# Altium PCB Main_Board.PcbDoc (part 9 of 19)
Units mil, origin at the board's own origin, x right, y up, seen from the top; angles counter-clockwise.
Board outline 5306 x 6610 mil, 12 copper layers ((L1) Top, (L2) Inner 1, (L3) Inner 2, (L4) Inner 3, (L5) Inner 4, (L6) Inner 5, (L7) Inner 6, (L8) Inner 7, (L9) Inner 8, (L10) Inner 9, (L11) Inner 10, (L12) Bottom), stack 94.81 mil thick; 347 components, 571 nets, 2611 pads, 4053 vias.
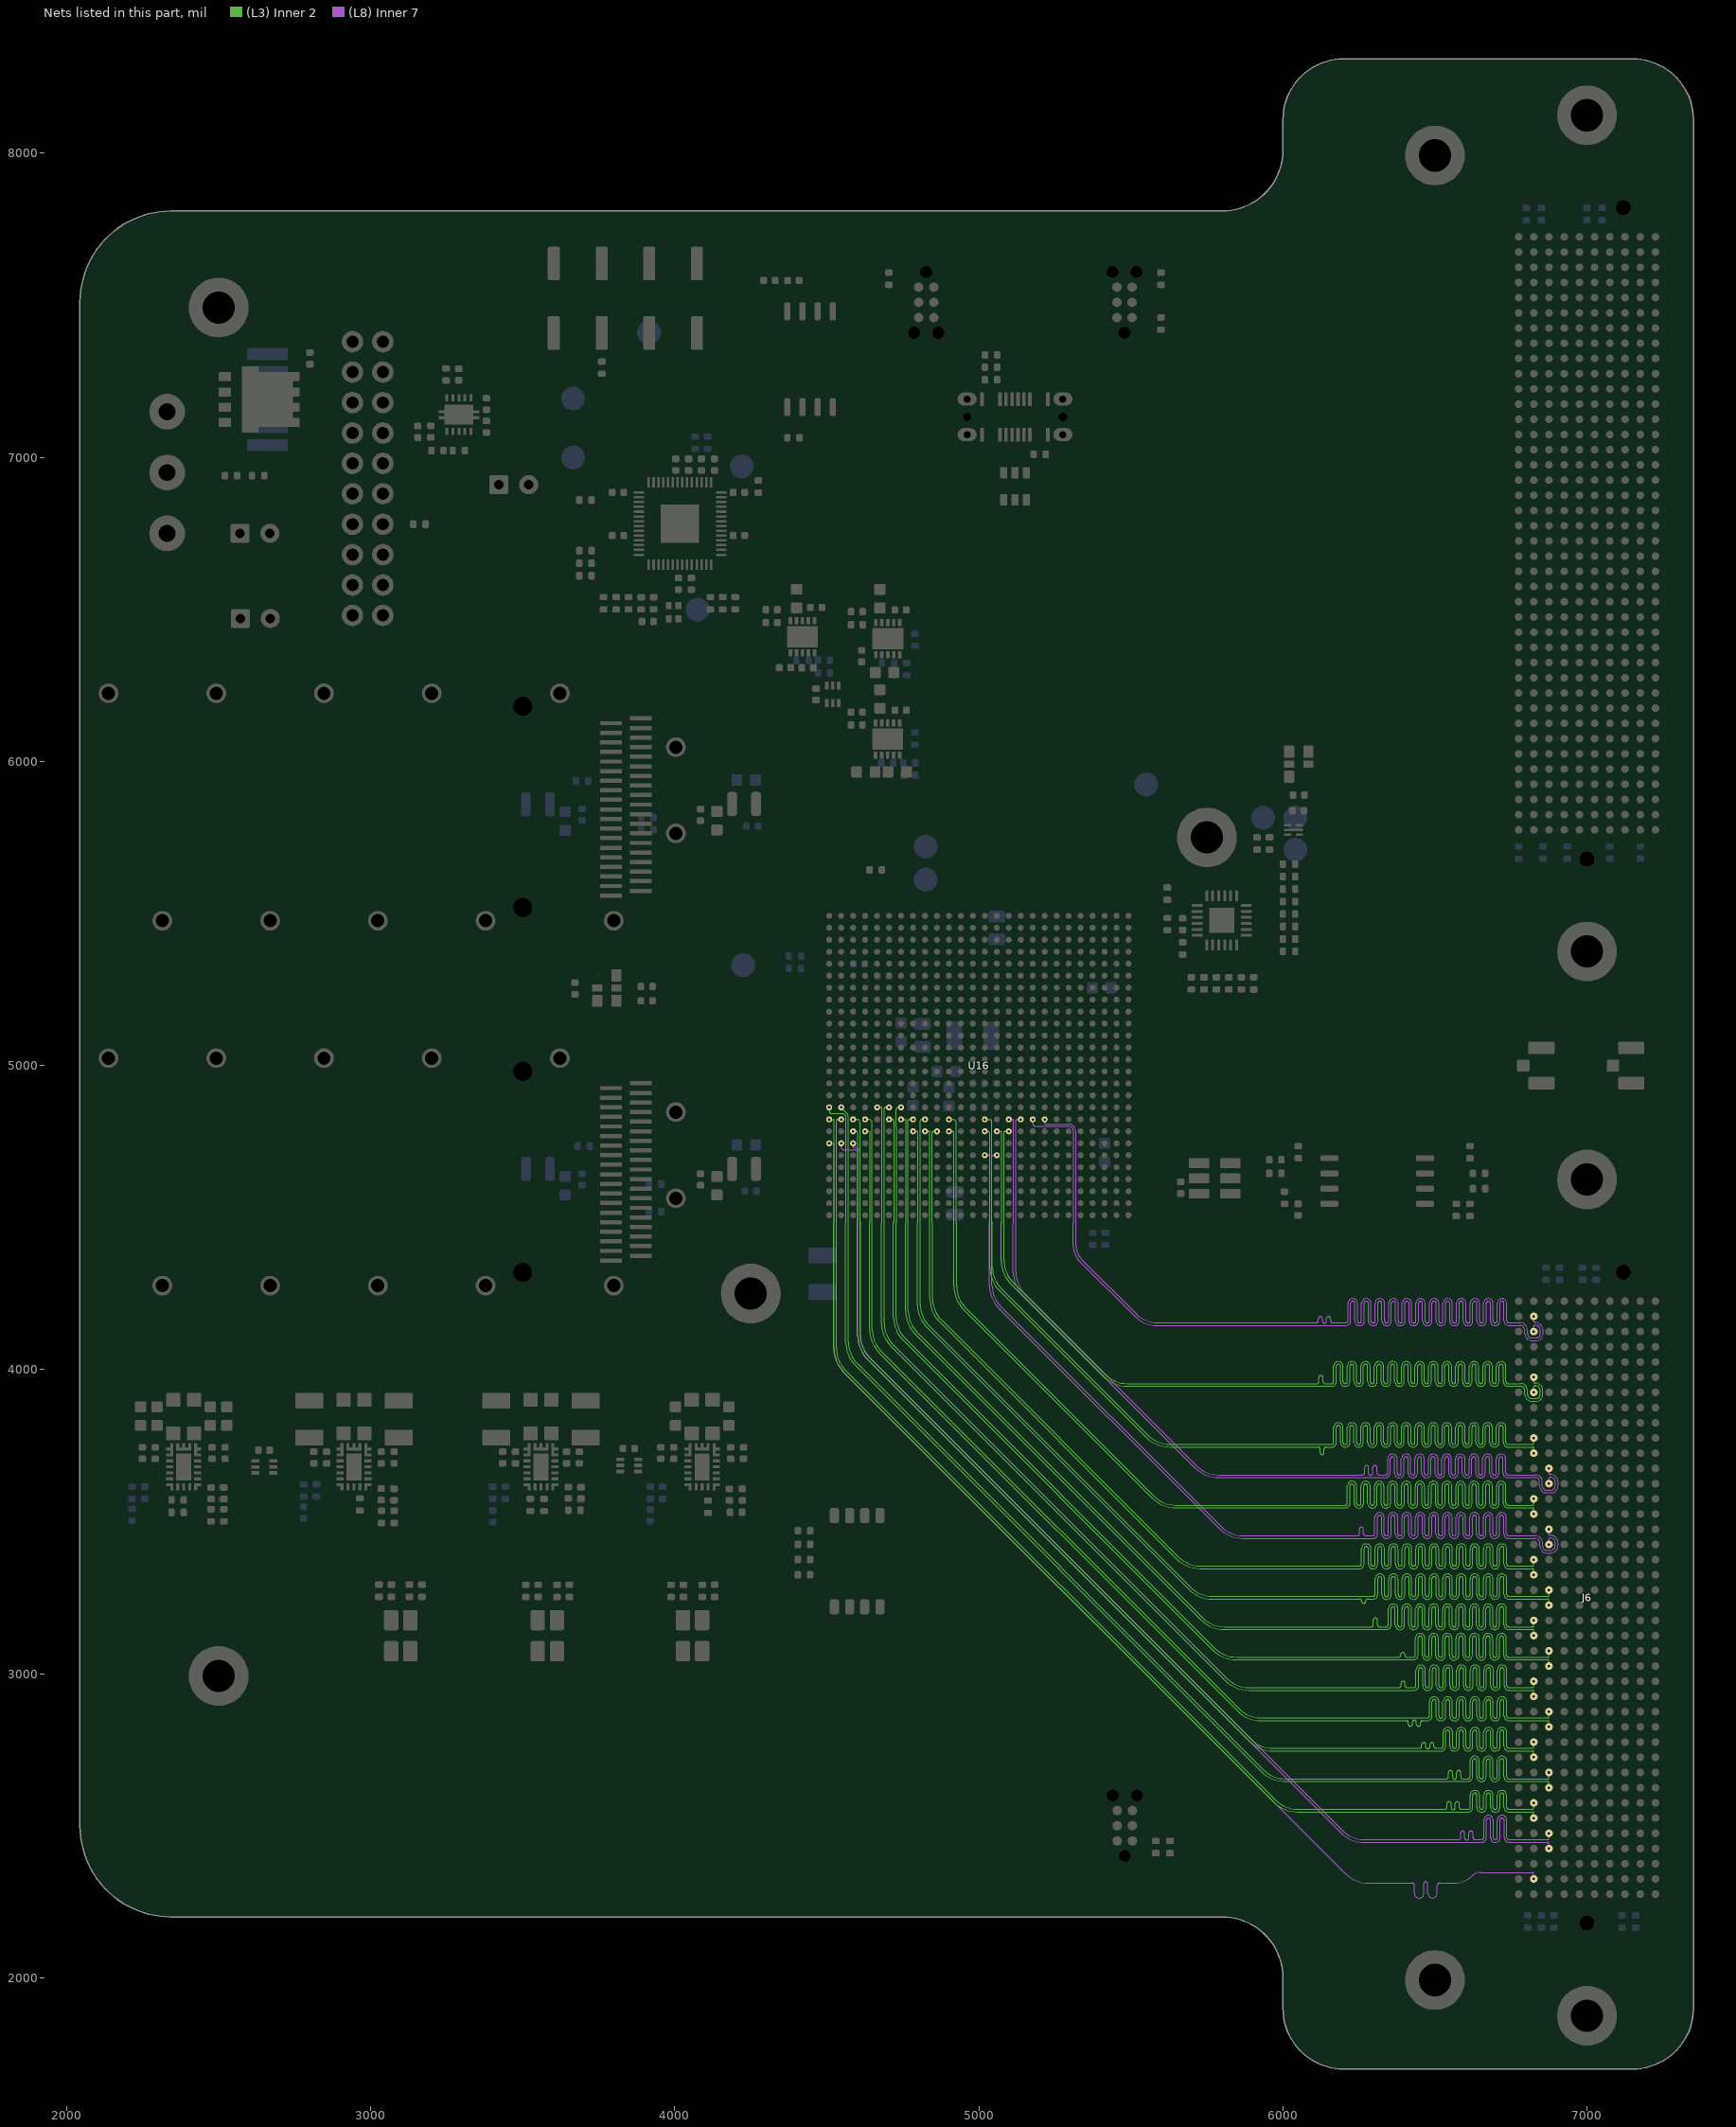
[diagram p19: the nets of this part, all layers, seen from the top]

## Via types
v1: diameter 13.78, hole 7.87, (L1) Top to (L12) Bottom, tented both sides, 4044 vias
v2: diameter 13.78, hole 7.87, (L1) Top to (L12) Bottom, tented bottom, 9 vias

## Nets (pads, with @x,y where several pads share a name; then routed paths per layer and width w, separated by ;. In a path a pad name is that pad's centre, name@x,y a point inside that pad or via, vN(x,y) a via of type N, cw(c..) or ccw(c..) an arc to the next point about the centre after c; other vN are vias at no path point) (continued)
HPCC_A_56_N: J6.H13 U16.V17 | length 3857.4
  (L8) Inner 7 w3.5: v1(5137.8,4822.83) 5125.29,4822.83 ccw(c5125.29,4819.33) 5122.81,4821.81 ccw(c5125.29,4819.33) 5121.79,4819.33 5121.79,4319.64 ccw(c5221.79,4319.64) 5151.07,4248.93 5716.71,3683.29 ccw(c5787.42,3754) 5787.42,3654 6251.86,3654 6261.75,3654 ccw(c6261.75,3660.75) 6268.5,3660.75 6268.5,3677.97 cw(c6275.25,3677.97) 6282,3677.97 6282,3659.3 ccw(c6288.75,3659.3) 6295.5,3659.3 6295.5,3677.97 cw(c6302.25,3677.97) 6309,3677.97 6309,3660.75 ccw(c6315.75,3660.75) 6315.75,3654 6331,3654 6331.89,3654 6338.04,3654 ccw(c6338.04,3660.75) 6344.79,3660.75 6344.79,3706.52 cw(c6360.34,3706.52) 6375.89,3706.52 6375.89,3659.83 ccw(c6382.64,3659.83) 6389.39,3659.83 6389.39,3706.52 cw(c6404.94,3706.52) 6420.49,3706.52 6420.49,3659.83 ccw(c6427.24,3659.83) 6433.99,3659.83 6433.99,3706.52 cw(c6449.54,3706.52) 6465.09,3706.52 6465.09,3659.83 ccw(c6471.84,3659.83) 6478.59,3659.83 6478.59,3706.52 cw(c6494.14,3706.52) 6509.69,3706.52 6509.69,3659.83 ccw(c6516.44,3659.83) 6523.19,3659.83 6523.19,3706.52 cw(c6538.74,3706.52) 6554.29,3706.52 6554.29,3659.83 ccw(c6561.04,3659.83) 6567.79,3659.83 6567.79,3706.52 cw(c6583.34,3706.52) 6598.89,3706.52 6598.89,3659.83 ccw(c6605.64,3659.83) 6612.39,3659.83 6612.39,3706.52 cw(c6627.94,3706.52) 6643.49,3706.52 6643.49,3659.83 ccw(c6650.24,3659.83) 6656.99,3659.83 6656.99,3706.52 cw(c6672.54,3706.52) 6688.09,3706.52 6688.09,3659.83 ccw(c6694.84,3659.83) 6701.59,3659.83 6701.59,3706.52 cw(c6717.14,3706.52) 6732.69,3706.52 6732.69,3660.75 ccw(c6739.44,3660.75) 6739.44,3654 6795,3654 6830.8,3654 cw(c6830.8,3632) 6852.8,3632 6852.8,3617.5 ccw(c6866.3,3617.5) 6866.3,3604 6882.26,3604 ccw(c6882.26,3617.74) 6896,3617.74 6896,3630 ccw(c6880,3630) 6880,3646 ccw(c6880,3641) 6875,3641 v1(6875,3625)
HPCC_A_56_P: J6.H12 U16.V16 | length 3795.8
  (L8) Inner 7 w3.5: v1(5098.43,4822.83) 5110.94,4822.83 cw(c5110.94,4819.33) 5113.41,4821.81 cw(c5110.94,4819.33) 5114.44,4819.33 5114.44,4483.77 cw(c5111.96,4483.77) 5113.71,4482.02 ccw(c5115.46,4480.27) 5112.99,4480.27 5112.99,4319.64 ccw(c5221.79,4319.64) 5144.85,4242.7 5710.49,3677.07 ccw(c5787.42,3754) 5787.42,3645.2 6331.89,3645.2 6338.04,3645.2 ccw(c6338.04,3660.75) 6353.59,3660.75 6353.59,3706.52 cw(c6360.34,3706.52) 6367.09,3706.52 6367.09,3659.83 ccw(c6382.64,3659.83) 6398.19,3659.83 6398.19,3706.52 cw(c6404.94,3706.52) 6411.69,3706.52 6411.69,3659.83 ccw(c6427.24,3659.83) 6442.79,3659.83 6442.79,3706.52 cw(c6449.54,3706.52) 6456.29,3706.52 6456.29,3659.83 ccw(c6471.84,3659.83) 6487.39,3659.83 6487.39,3706.52 cw(c6494.14,3706.52) 6500.89,3706.52 6500.89,3659.83 ccw(c6516.44,3659.83) 6531.99,3659.83 6531.99,3706.52 cw(c6538.74,3706.52) 6545.49,3706.52 6545.49,3659.83 ccw(c6561.04,3659.83) 6576.59,3659.83 6576.59,3706.52 cw(c6583.34,3706.52) 6590.09,3706.52 6590.09,3659.83 ccw(c6605.64,3659.83) 6621.19,3659.83 6621.19,3706.52 cw(c6627.94,3706.52) 6634.69,3706.52 6634.69,3659.83 ccw(c6650.24,3659.83) 6665.79,3659.83 6665.79,3706.52 cw(c6672.54,3706.52) 6679.29,3706.52 6679.29,3659.83 ccw(c6694.84,3659.83) 6710.39,3659.83 6710.39,3706.52 cw(c6717.14,3706.52) 6723.89,3706.52 6723.89,3660.75 ccw(c6739.44,3660.75) 6739.44,3645.2 6795,3645.2 6830.8,3645.2 cw(c6830.8,3632) 6844,3632 6844,3617.5 ccw(c6866.3,3617.5) 6866.3,3595.2 6882.26,3595.2 ccw(c6882.26,3617.74) 6904.8,3617.74 6904.8,3630 ccw(c6880,3630) 6880,3654.8 cw(c6880,3659.8) 6875,3659.8 v1(6875,3675)
HPCC_A_57_N: J6.H17 U16.AA15 | length 4128.2
  (L8) Inner 7 w3.5: v1(5059.06,4704.72) 5046.55,4704.72 ccw(c5046.55,4701.22) 5044.07,4703.7 ccw(c5046.55,4701.22) 5043.05,4701.22 5043.05,4278.38 ccw(c5143.05,4278.38) 5072.33,4207.67 5796.71,3483.29 ccw(c5867.42,3554) 5867.42,3454 6233.74,3454 6244.75,3454 ccw(c6244.75,3460.75) 6251.5,3460.75 6251.5,3475 cw(c6258.25,3475) 6265,3475 6265,3460.75 ccw(c6271.75,3460.75) 6271.75,3454 6287,3454 6289.38,3454 6295.53,3454 ccw(c6295.53,3460.75) 6302.28,3460.75 6302.28,3514.15 cw(c6317.83,3514.15) 6333.38,3514.15 6333.38,3460.06 ccw(c6340.13,3460.06) 6346.88,3460.06 6346.88,3514.15 cw(c6362.43,3514.15) 6377.98,3514.15 6377.98,3460.06 ccw(c6384.73,3460.06) 6391.48,3460.06 6391.48,3514.15 cw(c6407.03,3514.15) 6422.58,3514.15 6422.58,3460.06 ccw(c6429.33,3460.06) 6436.08,3460.06 6436.08,3514.15 cw(c6451.63,3514.15) 6467.18,3514.15 6467.18,3460.06 ccw(c6473.93,3460.06) 6480.68,3460.06 6480.68,3514.15 cw(c6496.23,3514.15) 6511.78,3514.15 6511.78,3460.06 ccw(c6518.53,3460.06) 6525.28,3460.06 6525.28,3514.15 cw(c6540.83,3514.15) 6556.38,3514.15 6556.38,3460.06 ccw(c6563.13,3460.06) 6569.88,3460.06 6569.88,3514.15 cw(c6585.43,3514.15) 6600.98,3514.15 6600.98,3460.06 ccw(c6607.73,3460.06) 6614.48,3460.06 6614.48,3514.15 cw(c6630.03,3514.15) 6645.58,3514.15 6645.58,3460.06 ccw(c6652.33,3460.06) 6659.08,3460.06 6659.08,3514.15 cw(c6674.63,3514.15) 6690.18,3514.15 6690.18,3460.06 ccw(c6696.93,3460.06) 6703.68,3460.06 6703.68,3514.15 cw(c6719.23,3514.15) 6734.78,3514.15 6734.78,3460.75 ccw(c6741.53,3460.75) 6741.53,3454 6794,3454 6827.8,3454 cw(c6827.8,3428) 6853.8,3428 6853.8,3419.2 ccw(c6868,3419.2) 6868,3405 6879,3405 ccw(c6879,3422) 6896,3422 6896,3430 ccw(c6880,3430) 6880,3446 ccw(c6880,3441) 6875,3441 v1(6875,3425)
HPCC_A_57_P: J6.H16 U16.AA14 | length 4125.3
  (L8) Inner 7 w3.5: v1(5019.69,4704.72) 5032.2,4704.72 cw(c5032.2,4701.22) 5034.67,4703.7 cw(c5032.19,4701.22) 5035.7,4701.22 5035.7,4483.77 cw(c5033.22,4483.77) 5034.97,4482.02 ccw(c5036.72,4480.27) 5034.25,4480.27 5034.25,4278.38 ccw(c5143.05,4278.38) 5066.11,4201.44 5790.49,3477.07 ccw(c5867.42,3554) 5867.42,3445.2 6289.38,3445.2 6295.53,3445.2 ccw(c6295.53,3460.75) 6311.08,3460.75 6311.08,3514.15 cw(c6317.83,3514.15) 6324.58,3514.15 6324.58,3460.06 ccw(c6340.13,3460.06) 6355.68,3460.06 6355.68,3514.15 cw(c6362.43,3514.15) 6369.18,3514.15 6369.18,3460.06 ccw(c6384.73,3460.06) 6400.28,3460.06 6400.28,3514.15 cw(c6407.03,3514.15) 6413.78,3514.15 6413.78,3460.06 ccw(c6429.33,3460.06) 6444.88,3460.06 6444.88,3514.15 cw(c6451.63,3514.15) 6458.38,3514.15 6458.38,3460.06 ccw(c6473.93,3460.06) 6489.48,3460.06 6489.48,3514.15 cw(c6496.23,3514.15) 6502.98,3514.15 6502.98,3460.06 ccw(c6518.53,3460.06) 6534.08,3460.06 6534.08,3514.15 cw(c6540.83,3514.15) 6547.58,3514.15 6547.58,3460.06 ccw(c6563.13,3460.06) 6578.68,3460.06 6578.68,3514.15 cw(c6585.43,3514.15) 6592.18,3514.15 6592.18,3460.06 ccw(c6607.73,3460.06) 6623.28,3460.06 6623.28,3514.15 cw(c6630.03,3514.15) 6636.78,3514.15 6636.78,3460.06 ccw(c6652.33,3460.06) 6667.88,3460.06 6667.88,3514.15 cw(c6674.63,3514.15) 6681.38,3514.15 6681.38,3460.06 ccw(c6696.93,3460.06) 6712.48,3460.06 6712.48,3514.15 cw(c6719.23,3514.15) 6725.98,3514.15 6725.98,3460.75 ccw(c6741.53,3460.75) 6741.53,3445.2 6794,3445.2 6827.8,3445.2 cw(c6827.8,3428) 6845,3428 6845,3419.2 ccw(c6868,3419.2) 6868,3396.2 6879,3396.2 ccw(c6879,3422) 6904.8,3422 6904.8,3430 ccw(c6880,3430) 6880,3454.8 cw(c6880,3459.8) 6875,3459.8 v1(6875,3475)
HPCC_A_58_N: J6.H21 U16.W8 | length 4415.7
  (L3) Inner 2 w3.5: v1(4783.46,4783.46) 4795.17,4783.46 cw(c4795.17,4778.84) 4799.8,4778.84 4799.8,4485 ccw(c4799.8,4483.55) 4798.35,4483.55 4798.35,4214.27 ccw(c4907.15,4214.27) 4830.21,4137.34 5690.09,3277.47 ccw(c5767.02,3354.4) 5767.02,3245.6 6236.9,3245.6 6252.15,3245.6 cw(c6252.15,3238.85) 6258.9,3238.85 6258.9,3238.13 ccw(c6265.65,3238.13) 6272.4,3238.13 6272.4,3238.85 cw(c6279.15,3238.85) 6279.15,3245.6 6290,3245.6 6290.16,3245.6 6296.31,3245.6 ccw(c6296.31,3261.15) 6311.86,3261.15 6311.86,3312.56 cw(c6318.61,3312.56) 6325.36,3312.56 6325.36,3260.17 ccw(c6340.91,3260.17) 6356.46,3260.17 6356.46,3312.56 cw(c6363.21,3312.56) 6369.96,3312.56 6369.96,3260.17 ccw(c6385.51,3260.17) 6401.06,3260.17 6401.06,3312.56 cw(c6407.81,3312.56) 6414.56,3312.56 6414.56,3260.17 ccw(c6430.11,3260.17) 6445.66,3260.17 6445.66,3312.56 cw(c6452.41,3312.56) 6459.16,3312.56 6459.16,3260.17 ccw(c6474.71,3260.17) 6490.26,3260.17 6490.26,3312.56 cw(c6497.01,3312.56) 6503.76,3312.56 6503.76,3260.17 ccw(c6519.31,3260.17) 6534.86,3260.17 6534.86,3312.56 cw(c6541.61,3312.56) 6548.36,3312.56 6548.36,3260.17 ccw(c6563.91,3260.17) 6579.46,3260.17 6579.46,3312.56 cw(c6586.21,3312.56) 6592.96,3312.56 6592.96,3260.17 ccw(c6608.51,3260.17) 6624.06,3260.17 6624.06,3312.56 cw(c6630.81,3312.56) 6637.56,3312.56 6637.56,3260.17 ccw(c6653.11,3260.17) 6668.66,3260.17 6668.66,3312.56 cw(c6675.41,3312.56) 6682.16,3312.56 6682.16,3260.17 ccw(c6697.71,3260.17) 6713.26,3260.17 6713.26,3312.56 cw(c6720.01,3312.56) 6726.76,3312.56 6726.76,3261.15 ccw(c6742.31,3261.15) 6742.31,3245.6 6811,3245.6 6871.5,3245.6 cw(c6871.5,3242.1) 6873.97,3244.57 cw(c6871.5,3242.1) 6875,3242.1 v1(6875,3225)
HPCC_A_58_P: J6.H20 U16.V9 | length 4422.4
  (L3) Inner 2 w3.5: v1(4822.83,4822.83) 4813.02,4822.83 ccw(c4813.02,4816.97) 4807.15,4816.97 4807.15,4214.27 ccw(c4907.15,4214.27) 4836.44,4143.56 5696.31,3283.69 ccw(c5767.02,3354.4) 5767.02,3254.4 6234,3254.4 6290,3254.4 6290.16,3254.4 6296.31,3254.4 ccw(c6296.31,3261.15) 6303.06,3261.15 6303.06,3312.56 cw(c6318.61,3312.56) 6334.16,3312.56 6334.16,3260.17 ccw(c6340.91,3260.17) 6347.66,3260.17 6347.66,3312.56 cw(c6363.21,3312.56) 6378.76,3312.56 6378.76,3260.17 ccw(c6385.51,3260.17) 6392.26,3260.17 6392.26,3312.56 cw(c6407.81,3312.56) 6423.36,3312.56 6423.36,3260.17 ccw(c6430.11,3260.17) 6436.86,3260.17 6436.86,3312.56 cw(c6452.41,3312.56) 6467.96,3312.56 6467.96,3260.17 ccw(c6474.71,3260.17) 6481.46,3260.17 6481.46,3312.56 cw(c6497.01,3312.56) 6512.56,3312.56 6512.56,3260.17 ccw(c6519.31,3260.17) 6526.06,3260.17 6526.06,3312.56 cw(c6541.61,3312.56) 6557.16,3312.56 6557.16,3260.17 ccw(c6563.91,3260.17) 6570.66,3260.17 6570.66,3312.56 cw(c6586.21,3312.56) 6601.76,3312.56 6601.76,3260.17 ccw(c6608.51,3260.17) 6615.26,3260.17 6615.26,3312.56 cw(c6630.81,3312.56) 6646.36,3312.56 6646.36,3260.17 ccw(c6653.11,3260.17) 6659.86,3260.17 6659.86,3312.56 cw(c6675.41,3312.56) 6690.96,3312.56 6690.96,3260.17 ccw(c6697.71,3260.17) 6704.46,3260.17 6704.46,3312.56 cw(c6720.01,3312.56) 6735.56,3312.56 6735.56,3261.15 ccw(c6742.31,3261.15) 6742.31,3254.4 6811,3254.4 6871.5,3254.4 ccw(c6871.5,3257.9) 6873.97,3255.43 ccw(c6871.5,3257.9) 6875,3257.9 v1(6875,3275)
HPCC_A_59_N: J6.H25 U16.V6 | length 4287.4
  (L3) Inner 2 w3.5: v1(4704.72,4822.83) 4714.78,4822.83 cw(c4714.78,4817) 4720.45,4818.35 cw(c4717.05,4817.56) 4720.55,4817.58 4720.55,4798.74 4720.55,4484.99 ccw(c4720.55,4483.54) 4719.1,4483.54 4719.1,4173.53 ccw(c4827.9,4173.53) 4750.96,4096.59 5770.09,3077.47 ccw(c5847.02,3154.4) 5847.02,3045.6 6423,3045.6 6429.15,3045.6 ccw(c6429.15,3061.15) 6444.7,3061.15 6444.7,3116.73 cw(c6451.45,3116.73) 6458.2,3116.73 6458.2,3060.46 ccw(c6473.75,3060.46) 6489.3,3060.46 6489.3,3116.73 cw(c6496.05,3116.73) 6502.8,3116.73 6502.8,3060.46 ccw(c6518.35,3060.46) 6533.9,3060.46 6533.9,3116.73 cw(c6540.65,3116.73) 6547.4,3116.73 6547.4,3060.46 ccw(c6562.95,3060.46) 6578.5,3060.46 6578.5,3116.73 cw(c6585.25,3116.73) 6592,3116.73 6592,3060.46 ccw(c6607.55,3060.46) 6623.1,3060.46 6623.1,3116.73 cw(c6629.85,3116.73) 6636.6,3116.73 6636.6,3060.46 ccw(c6652.15,3060.46) 6667.7,3060.46 6667.7,3116.73 cw(c6674.45,3116.73) 6681.2,3116.73 6681.2,3060.46 ccw(c6696.75,3060.46) 6712.3,3060.46 6712.3,3116.73 cw(c6719.05,3116.73) 6725.8,3116.73 6725.8,3061.15 ccw(c6741.35,3061.15) 6741.35,3045.6 6828,3045.6 6871.5,3045.6 cw(c6871.5,3042.1) 6873.97,3044.57 cw(c6871.5,3042.1) 6875,3042.1 v1(6875,3025)
HPCC_A_59_P: J6.H24 U16.U7 | length 4330.3
  (L3) Inner 2 w3.5: v1(4744.09,4862.2) 4734.94,4862.2 ccw(c4734.94,4855.16) 4727.9,4855.16 4727.9,4798.79 4727.9,4482.1 4727.9,4173.53 ccw(c4827.9,4173.53) 4757.19,4102.81 5776.31,3083.69 ccw(c5847.02,3154.4) 5847.02,3054.4 6370,3054.4 6380.75,3054.4 ccw(c6380.75,3061.15) 6387.5,3061.15 6387.5,3062.65 cw(c6394.25,3062.65) 6401,3062.65 6401,3061.15 ccw(c6407.75,3061.15) 6407.75,3054.4 6423,3054.4 6429.15,3054.4 ccw(c6429.15,3061.15) 6435.9,3061.15 6435.9,3116.73 cw(c6451.45,3116.73) 6467,3116.73 6467,3060.46 ccw(c6473.75,3060.46) 6480.5,3060.46 6480.5,3116.73 cw(c6496.05,3116.73) 6511.6,3116.73 6511.6,3060.46 ccw(c6518.35,3060.46) 6525.1,3060.46 6525.1,3116.73 cw(c6540.65,3116.73) 6556.2,3116.73 6556.2,3060.46 ccw(c6562.95,3060.46) 6569.7,3060.46 6569.7,3116.73 cw(c6585.25,3116.73) 6600.8,3116.73 6600.8,3060.46 ccw(c6607.55,3060.46) 6614.3,3060.46 6614.3,3116.73 cw(c6629.85,3116.73) 6645.4,3116.73 6645.4,3060.46 ccw(c6652.15,3060.46) 6658.9,3060.46 6658.9,3116.73 cw(c6674.45,3116.73) 6690,3116.73 6690,3060.46 ccw(c6696.75,3060.46) 6703.5,3060.46 6703.5,3116.73 cw(c6719.05,3116.73) 6734.6,3116.73 6734.6,3061.15 ccw(c6741.35,3061.15) 6741.35,3054.4 6828,3054.4 6871.5,3054.4 ccw(c6871.5,3057.9) 6873.97,3055.43 ccw(c6871.5,3057.9) 6875,3057.9 v1(6875,3075)
HPCC_A_60_N: J6.H29 U16.W4 | length 4247.3
  (L3) Inner 2 w3.5: v1(4625.98,4783.46) 4636.65,4783.46 cw(c4636.65,4778.12) 4642,4778.12 4642,4485 ccw(c4642,4483.55) 4640.55,4483.55 4640.55,4132.07 ccw(c4749.35,4132.07) 4672.42,4055.14 5850.09,2877.47 ccw(c5927.02,2954.4) 5927.02,2845.6 6390.17,2845.6 6405.42,2845.6 cw(c6405.42,2838.85) 6412.17,2838.85 6412.17,2833.92 ccw(c6418.92,2833.92) 6425.67,2833.92 6425.67,2840.3 cw(c6432.42,2840.3) 6439.17,2840.3 6439.17,2833.92 ccw(c6445.92,2833.92) 6452.67,2833.92 6452.67,2838.85 cw(c6459.42,2838.85) 6459.42,2845.6 6469,2845.6 6475.15,2845.6 ccw(c6475.15,2861.15) 6490.7,2861.15 6490.7,2908.08 cw(c6497.45,2908.08) 6504.2,2908.08 6504.2,2860.3 ccw(c6519.75,2860.3) 6535.3,2860.3 6535.3,2908.08 cw(c6542.05,2908.08) 6548.8,2908.08 6548.8,2860.3 ccw(c6564.35,2860.3) 6579.9,2860.3 6579.9,2908.08 cw(c6586.65,2908.08) 6593.4,2908.08 6593.4,2860.3 ccw(c6608.95,2860.3) 6624.5,2860.3 6624.5,2908.08 cw(c6631.25,2908.08) 6638,2908.08 6638,2860.3 ccw(c6653.55,2860.3) 6669.1,2860.3 6669.1,2908.08 cw(c6675.85,2908.08) 6682.6,2908.08 6682.6,2860.3 ccw(c6698.15,2860.3) 6713.7,2860.3 6713.7,2908.08 cw(c6720.45,2908.08) 6727.2,2908.08 6727.2,2861.15 ccw(c6742.75,2861.15) 6742.75,2845.6 6808,2845.6 6871.5,2845.6 cw(c6871.5,2842.1) 6873.97,2844.57 cw(c6871.5,2842.1) 6875,2842.1 v1(6875,2825)
HPCC_A_60_P: J6.H28 U16.V4 | length 4222.8
  (L3) Inner 2 w3.5: v1(4625.98,4822.83) 4636.76,4822.83 cw(c4636.76,4810.25) 4649.35,4810.25 4649.35,4132.07 ccw(c4749.35,4132.07) 4678.64,4061.36 5856.31,2883.69 ccw(c5927.02,2954.4) 5927.02,2854.4 6469,2854.4 6475.15,2854.4 ccw(c6475.15,2861.15) 6481.9,2861.15 6481.9,2908.08 cw(c6497.45,2908.08) 6513,2908.08 6513,2860.3 ccw(c6519.75,2860.3) 6526.5,2860.3 6526.5,2908.08 cw(c6542.05,2908.08) 6557.6,2908.08 6557.6,2860.3 ccw(c6564.35,2860.3) 6571.1,2860.3 6571.1,2908.08 cw(c6586.65,2908.08) 6602.2,2908.08 6602.2,2860.3 ccw(c6608.95,2860.3) 6615.7,2860.3 6615.7,2908.08 cw(c6631.25,2908.08) 6646.8,2908.08 6646.8,2860.3 ccw(c6653.55,2860.3) 6660.3,2860.3 6660.3,2908.08 cw(c6675.85,2908.08) 6691.4,2908.08 6691.4,2860.3 ccw(c6698.15,2860.3) 6704.9,2860.3 6704.9,2908.08 cw(c6720.45,2908.08) 6736,2908.08 6736,2861.15 ccw(c6742.75,2861.15) 6742.75,2854.4 6808,2854.4 6871.5,2854.4 ccw(c6871.5,2857.9) 6873.97,2855.43 ccw(c6871.5,2857.9) 6875,2857.9 v1(6875,2875)
HPCC_A_61_N: J6.H33 U16.U1 | length 4156.1
  (L3) Inner 2 w3.5: v1(4507.87,4862.2) 4507.87,4849.6 ccw(c4515.82,4849.6) 4515.82,4841.65 4551,4841.65 cw(c4551,4829.38) 4563.27,4829.38 4563.27,4485 ccw(c4563.27,4483.55) 4561.82,4483.55 4561.82,4090.8 ccw(c4670.62,4090.8) 4593.69,4013.87 5930.09,2677.47 ccw(c6007.02,2754.4) 6007.02,2645.6 6602.35,2645.6 6608.5,2645.6 ccw(c6608.5,2661.15) 6624.05,2661.15 6624.05,2713.04 cw(c6630.8,2713.04) 6637.55,2713.04 6637.55,2660.77 ccw(c6653.1,2660.77) 6668.65,2660.77 6668.65,2713.04 cw(c6675.4,2713.04) 6682.15,2713.04 6682.15,2660.77 ccw(c6697.7,2660.77) 6713.25,2660.77 6713.25,2713.04 cw(c6720,2713.04) 6726.75,2713.04 6726.75,2661.15 ccw(c6742.3,2661.15) 6742.3,2645.6 6825,2645.6 6871.5,2645.6 cw(c6871.5,2642.1) 6873.97,2644.57 cw(c6871.5,2642.1) 6875,2642.1 v1(6875,2625)
HPCC_A_61_P: J6.H32 U16.U2 | length 4192.1
  (L3) Inner 2 w3.5: v1(4547.24,4862.2) ccw(c4550.52,4863.42) 4548.03,4860.97 4565.07,4843.93 cw(c4562.57,4841.48) 4565.19,4843.8 cw(c4548.76,4829.38) 4570.62,4829.38 4570.62,4829.31 4570.62,4090.8 ccw(c4670.62,4090.8) 4599.91,4020.09 5936.31,2683.69 ccw(c6007.02,2754.4) 6007.02,2654.4 6535.8,2654.4 6537.55,2654.4 ccw(c6537.55,2661.15) 6544.3,2661.15 6544.3,2674.89 cw(c6551.05,2674.89) 6557.8,2674.89 6557.8,2659.7 ccw(c6564.55,2659.7) 6571.3,2659.7 6571.3,2674.89 cw(c6578.05,2674.89) 6584.8,2674.89 6584.8,2661.15 ccw(c6591.55,2661.15) 6591.55,2654.4 6602,2654.4 6602.35,2654.4 6608.5,2654.4 ccw(c6608.5,2661.15) 6615.25,2661.15 6615.25,2713.04 cw(c6630.8,2713.04) 6646.35,2713.04 6646.35,2660.77 ccw(c6653.1,2660.77) 6659.85,2660.77 6659.85,2713.04 cw(c6675.4,2713.04) 6690.95,2713.04 6690.95,2660.77 ccw(c6697.7,2660.77) 6704.45,2660.77 6704.45,2713.04 cw(c6720,2713.04) 6735.55,2713.04 6735.55,2661.15 ccw(c6742.3,2661.15) 6742.3,2654.4 6825,2654.4 6871.5,2654.4 ccw(c6871.5,2657.9) 6873.97,2655.43 ccw(c6871.5,2657.9) 6875,2657.9 v1(6875,2675)
HPCC_A_62_N: J6.H37 U16.Y2 | length 3958.8
  (L8) Inner 7 w3.5: v1(4547.24,4744.09) 4547.24,4731.11 ccw(c4555.7,4731.11) 4555.7,4722.65 4590,4722.65 cw(c4590,4709.97) 4602.68,4709.97 4602.68,4109.94 ccw(c4711.48,4109.94) 4634.55,4033.01 6190.09,2477.47 ccw(c6267.02,2554.4) 6267.02,2445.6 6647.69,2445.6 6653.84,2445.6 ccw(c6653.84,2461.15) 6669.39,2461.15 6669.39,2518.33 cw(c6676.14,2518.33) 6682.89,2518.33 6682.89,2460.74 ccw(c6698.44,2460.74) 6713.99,2460.74 6713.99,2518.33 cw(c6720.74,2518.33) 6727.49,2518.33 6727.49,2461.15 ccw(c6743.04,2461.15) 6743.04,2445.6 6780.17,2445.6 6871.5,2445.6 cw(c6871.5,2442.1) 6873.97,2444.57 cw(c6871.5,2442.1) 6875,2442.1 v1(6875,2425)
HPCC_A_62_P: J6.H36 U16.Y3 | length 4003.7
  (L8) Inner 7 w3.5: v1(4586.61,4744.09) 4586.61,4733.39 ccw(c4590,4733.39) 4590,4730 cw(c4590,4709.97) 4610.03,4709.97 4610.03,4483.77 ccw(c4612.51,4483.77) 4610.76,4482.02 cw(c4609.01,4480.27) 4611.48,4480.27 4611.48,4109.94 ccw(c4711.48,4109.94) 4640.77,4039.23 6196.31,2483.69 ccw(c6267.02,2554.4) 6267.02,2454.4 6568.29,2454.4 6577.69,2454.4 ccw(c6577.69,2461.15) 6584.44,2461.15 6584.44,2475.55 cw(c6591.19,2475.55) 6597.94,2475.55 6597.94,2459.7 ccw(c6604.69,2459.7) 6611.44,2459.7 6611.44,2475.55 cw(c6618.19,2475.55) 6624.94,2475.55 6624.94,2461.15 ccw(c6631.69,2461.15) 6631.69,2454.4 6646.94,2454.4 6647.69,2454.4 6653.84,2454.4 ccw(c6653.84,2461.15) 6660.59,2461.15 6660.59,2518.33 cw(c6676.14,2518.33) 6691.69,2518.33 6691.69,2460.74 ccw(c6698.44,2460.74) 6705.19,2460.74 6705.19,2518.33 cw(c6720.74,2518.33) 6736.29,2518.33 6736.29,2461.15 ccw(c6743.04,2461.15) 6743.04,2454.4 6780.17,2454.4 6871.5,2454.4 ccw(c6871.5,2457.9) 6873.97,2455.43 ccw(c6871.5,2457.9) 6875,2457.9 v1(6875,2475)
HPCC_A_63_N: J6.J3 U16.V19 | length 3999
  (L8) Inner 7 w3.5: v1(5216.54,4822.83) 5216.54,4811.43 ccw(c5220.96,4811.43) 5220.96,4807 5295,4807 cw(c5295,4783.2) 5318.8,4783.2 5318.8,4411.19 ccw(c5391.19,4411.19) 5340,4360 5516.71,4183.29 ccw(c5587.42,4254) 5587.42,4154 6096.35,4154 6109.75,4154 ccw(c6109.75,4160.75) 6116.5,4160.75 6116.5,4167.64 cw(c6123.25,4167.64) 6130,4167.64 6130,4159.3 ccw(c6136.75,4159.3) 6143.5,4159.3 6143.5,4167.64 cw(c6150.25,4167.64) 6157,4167.64 6157,4160.75 ccw(c6163.75,4160.75) 6163.75,4154 6179,4154 6180,4154 6207.35,4154 ccw(c6207.35,4160.75) 6214.1,4160.75 6214.1,4217.61 cw(c6229.65,4217.61) 6245.2,4217.61 6245.2,4159.9 ccw(c6251.95,4159.9) 6258.7,4159.9 6258.7,4217.61 cw(c6274.25,4217.61) 6289.8,4217.61 6289.8,4159.9 ccw(c6296.55,4159.9) 6303.3,4159.9 6303.3,4217.61 cw(c6318.85,4217.61) 6334.4,4217.61 6334.4,4159.9 ccw(c6341.15,4159.9) 6347.9,4159.9 6347.9,4217.61 cw(c6363.45,4217.61) 6379,4217.61 6379,4159.9 ccw(c6385.75,4159.9) 6392.5,4159.9 6392.5,4217.61 cw(c6408.05,4217.61) 6423.6,4217.61 6423.6,4159.9 ccw(c6430.35,4159.9) 6437.1,4159.9 6437.1,4217.61 cw(c6452.65,4217.61) 6468.2,4217.61 6468.2,4159.9 ccw(c6474.95,4159.9) 6481.7,4159.9 6481.7,4217.61 cw(c6497.25,4217.61) 6512.8,4217.61 6512.8,4159.9 ccw(c6519.55,4159.9) 6526.3,4159.9 6526.3,4217.61 cw(c6541.85,4217.61) 6557.4,4217.61 6557.4,4159.9 ccw(c6564.15,4159.9) 6570.9,4159.9 6570.9,4217.61 cw(c6586.45,4217.61) 6602,4217.61 6602,4159.9 ccw(c6608.75,4159.9) 6615.5,4159.9 6615.5,4217.61 cw(c6631.05,4217.61) 6646.6,4217.61 6646.6,4159.9 ccw(c6653.35,4159.9) 6660.1,4159.9 6660.1,4217.61 cw(c6675.65,4217.61) 6691.2,4217.61 6691.2,4159.9 ccw(c6697.95,4159.9) 6704.7,4159.9 6704.7,4217.61 cw(c6720.25,4217.61) 6735.8,4217.61 6735.8,4160.75 ccw(c6742.55,4160.75) 6742.55,4154 6771,4154 6778.8,4154 cw(c6778.8,4129) 6803.8,4129 6803.8,4119.2 ccw(c6819,4119.2) 6819,4104 6833,4104 ccw(c6833,4118) 6847,4118 6847,4129 ccw(c6830,4129) 6830,4146 ccw(c6830,4141) 6825,4141 v1(6825,4125)